# Altium PCB STB_LightBoard.PcbDoc (part 22 of 31)
Units mm, origin at the board's own origin, x right, y up, seen from the top; angles counter-clockwise.
Board outline 348 x 348 mm, 2 copper layers (Top Layer, Bottom Layer), stack 1.672 mm thick; 3807 components, 3391 nets, 11616 pads, 2553 vias.
Unrouted connection lines stored in the file: 68.
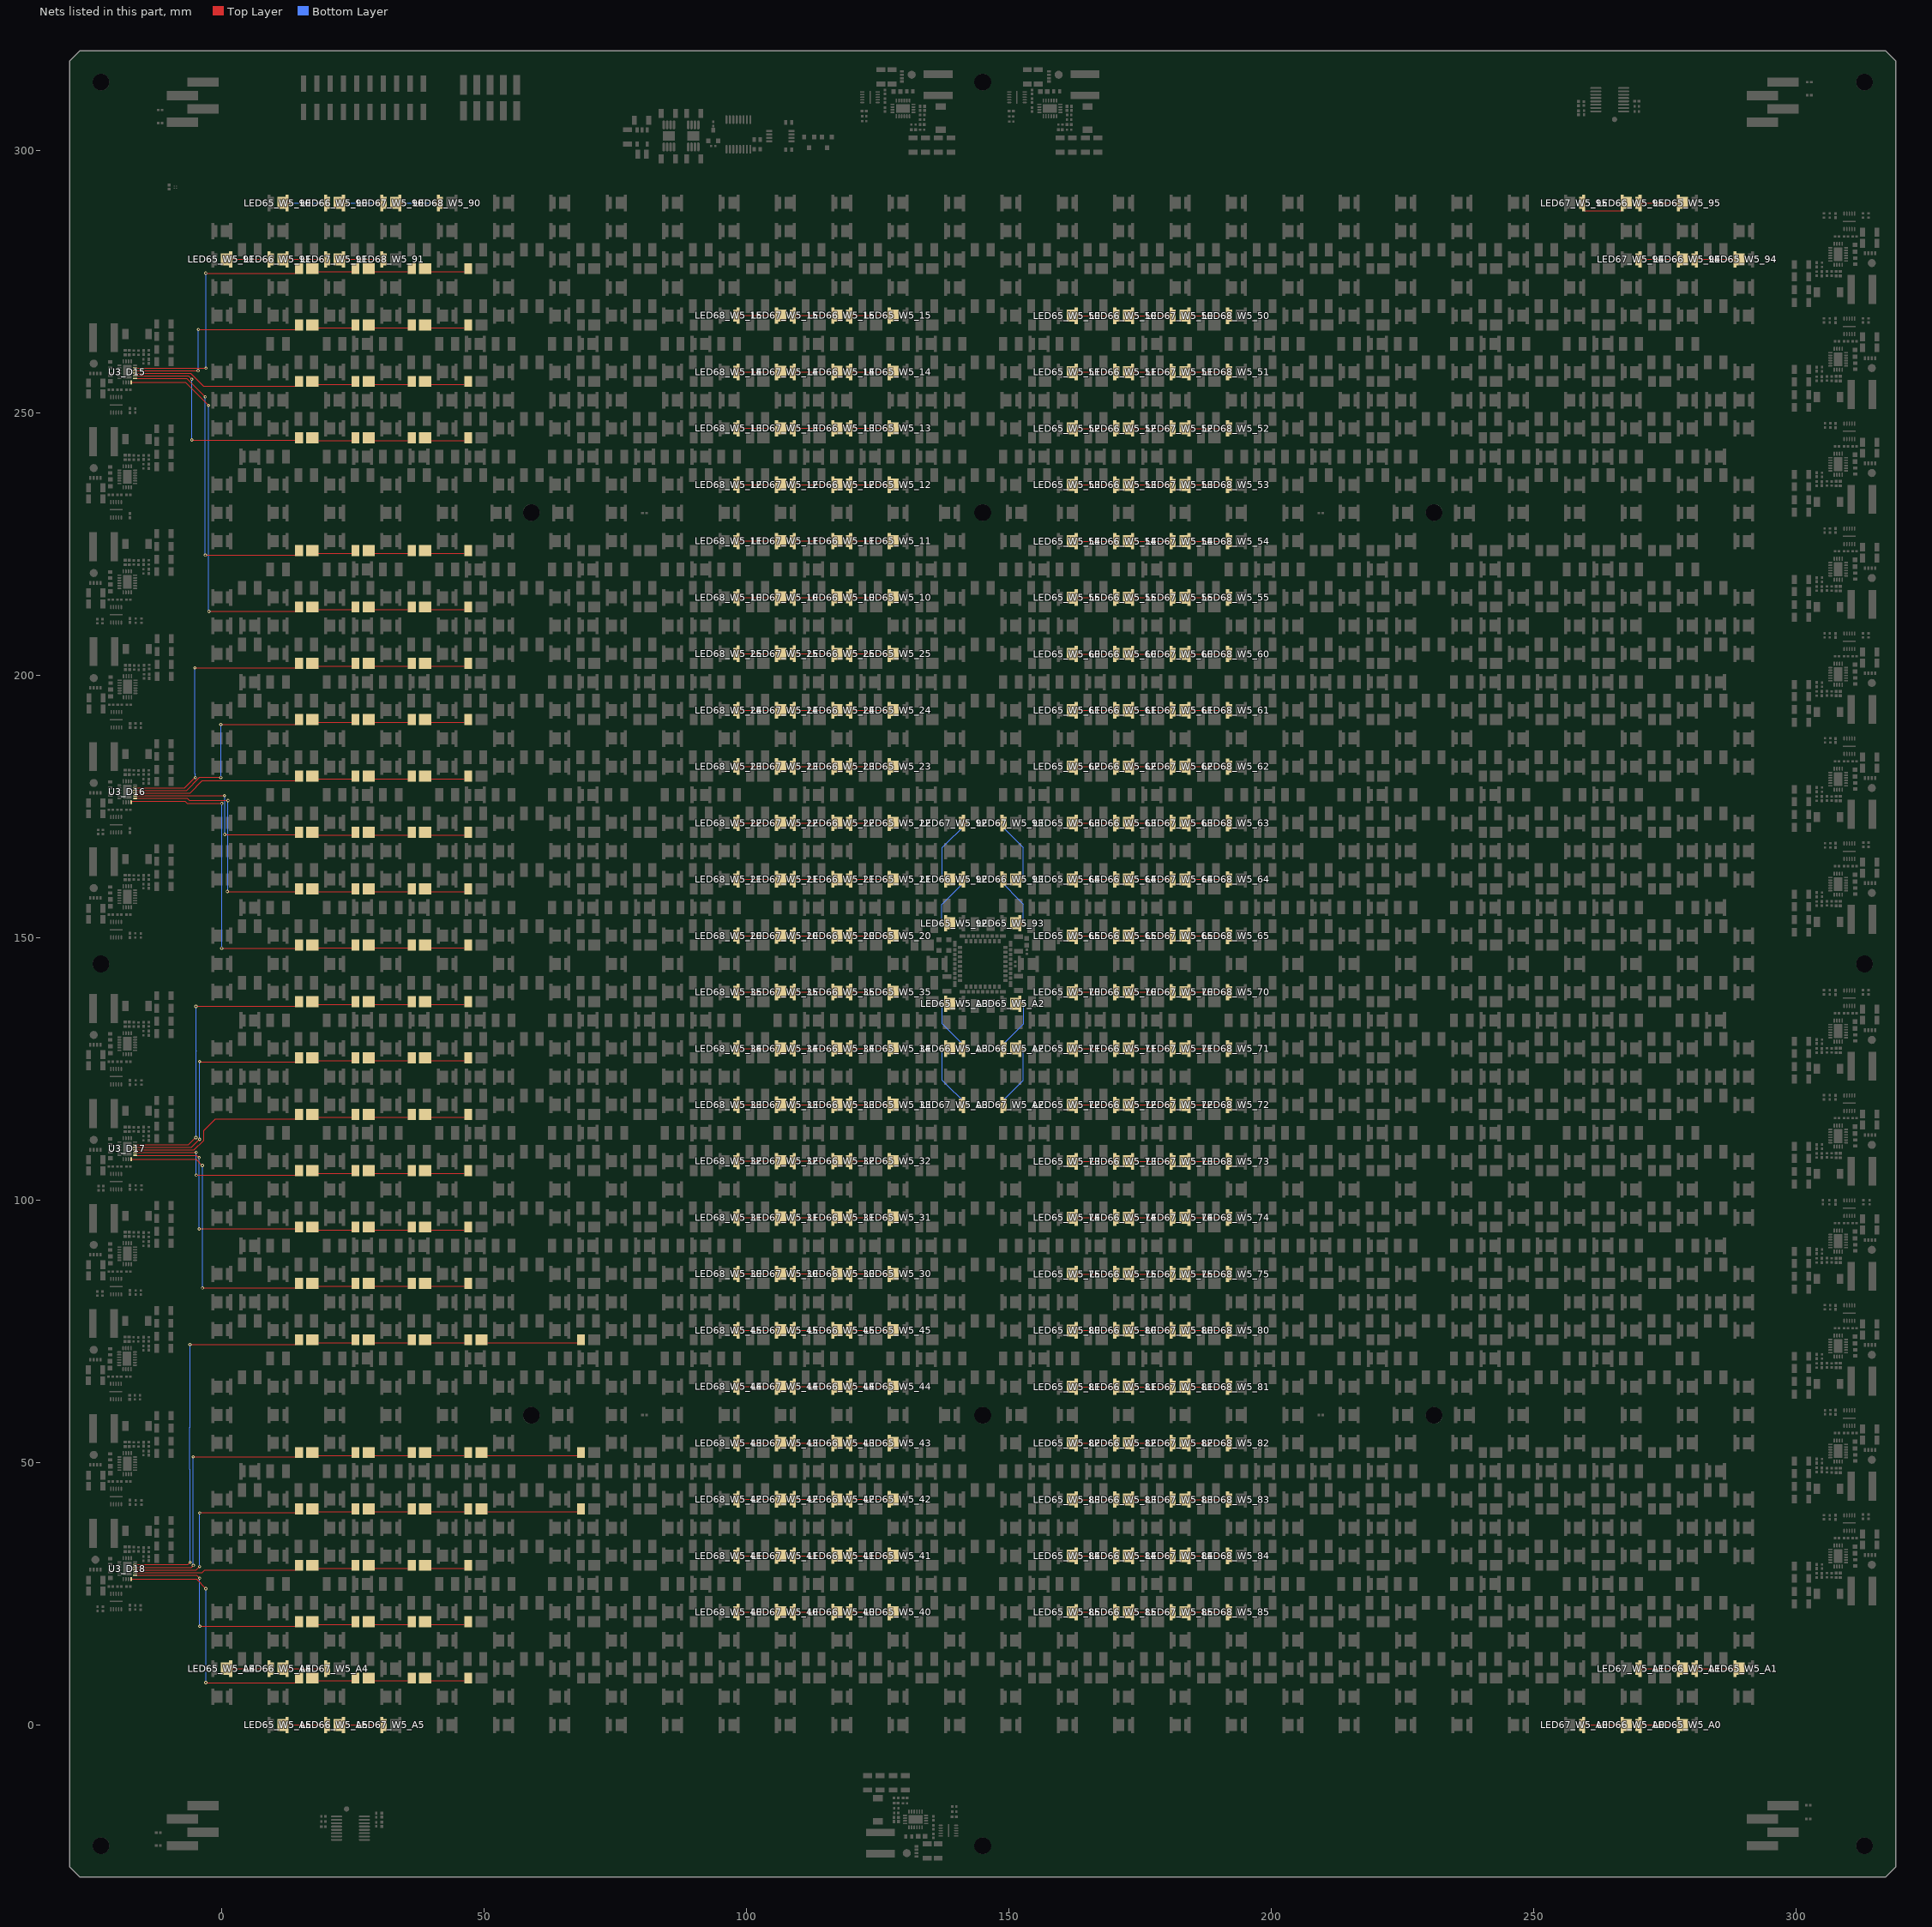
[diagram p22: the nets of this part, all layers, seen from the top]

## Via types
v1: diameter 0.604, hole 0.3, Top Layer to Bottom Layer, tented both sides, 2553 vias

## Nets (pads, with @x,y where several pads share a name; then routed paths per layer and width w, separated by ;. In a path a pad name is that pad's centre, name@x,y a point inside that pad or via, vN(x,y) a via of type N, cw(c..) or ccw(c..) an arc to the next point about the centre after c; other vN are vias at no path point) (continued)
NetLED60_IR740_43_1: LED60_IR740_43.1 LED61_IR740_43.2 | length 23.7
  Top Layer w0.2: 56.6,40.63 50.268,40.63 56.941,40.63 67.682,40.63
NetLED60_IR740_44_1: LED60_IR740_44.1 LED61_IR740_44.2 | length 23.7
  Top Layer w0.2: 56.6,51.371 50.268,51.371 56.941,51.371 67.682,51.371
NetLED60_IR740_45_1: LED60_IR740_45.1 LED61_IR740_45.2 | length 23.7
  Top Layer w0.2: 56.6,72.853 50.268,72.853 56.941,72.853 67.682,72.853
NetLED61_IR740_10_1: LED61_IR740_10.1 LED62_IR740_10.2 | length 6.7
  Top Layer w0.2: LED62_IR740_10.2@39.527,212.486 46.2,212.486
NetLED61_IR740_11_1: LED61_IR740_11.1 LED62_IR740_11.2 | length 6.7
  Top Layer w0.2: LED62_IR740_11.2@39.527,223.227 46.2,223.227
NetLED61_IR740_12_1: LED61_IR740_12.1 LED62_IR740_12.2 | length 6.7
  Top Layer w0.2: LED62_IR740_12.2@39.527,244.709 46.2,244.709
NetLED61_IR740_13_1: LED61_IR740_13.1 LED62_IR740_13.2 | length 6.7
  Top Layer w0.2: LED62_IR740_13.2@39.527,255.45 46.2,255.45
NetLED61_IR740_14_1: LED61_IR740_14.1 LED62_IR740_14.2 | length 6.7
  Top Layer w0.2: LED62_IR740_14.2@39.527,266.191 46.2,266.191
NetLED61_IR740_15_1: LED61_IR740_15.1 LED62_IR740_15.2 | length 6.7
  Top Layer w0.2: LED62_IR740_15.2@39.527,276.932 46.2,276.932
NetLED61_IR740_20_1: LED61_IR740_20.1 LED62_IR740_20.2 | length 6.7
  Top Layer w0.2: LED62_IR740_20.2@39.527,148.04 46.2,148.04
NetLED61_IR740_21_1: LED61_IR740_21.1 LED62_IR740_21.2 | length 6.7
  Top Layer w0.2: LED62_IR740_21.2@39.527,158.781 46.2,158.781
NetLED61_IR740_22_1: LED61_IR740_22.1 LED62_IR740_22.2 | length 6.7
  Top Layer w0.2: LED62_IR740_22.2@39.527,169.522 46.2,169.522
NetLED61_IR740_23_1: LED61_IR740_23.1 LED62_IR740_23.2 | length 6.7
  Top Layer w0.2: LED62_IR740_23.2@39.527,180.263 46.2,180.263
NetLED61_IR740_24_1: LED61_IR740_24.1 LED62_IR740_24.2 | length 6.7
  Top Layer w0.2: LED62_IR740_24.2@39.527,191.004 46.2,191.004
NetLED61_IR740_25_1: LED61_IR740_25.1 LED62_IR740_25.2 | length 6.7
  Top Layer w0.2: LED62_IR740_25.2@39.527,201.745 46.2,201.745
NetLED61_IR740_30_1: LED61_IR740_30.1 LED62_IR740_30.2 | length 6.7
  Top Layer w0.2: LED62_IR740_30.2@39.527,83.594 46.2,83.594
NetLED61_IR740_31_1: LED61_IR740_31.1 LED62_IR740_31.2 | length 6.7
  Top Layer w0.2: LED62_IR740_31.2@39.527,94.335 46.2,94.335
NetLED61_IR740_32_1: LED61_IR740_32.1 LED62_IR740_32.2 | length 6.7
  Top Layer w0.2: LED62_IR740_32.2@39.527,105.076 46.2,105.076
NetLED61_IR740_33_1: LED61_IR740_33.1 LED62_IR740_33.2 | length 6.7
  Top Layer w0.2: LED62_IR740_33.2@39.527,115.817 46.2,115.817
NetLED61_IR740_34_1: LED61_IR740_34.1 LED62_IR740_34.2 | length 6.7
  Top Layer w0.2: LED62_IR740_34.2@39.527,126.558 46.2,126.558
NetLED61_IR740_35_1: LED61_IR740_35.1 LED62_IR740_35.2 | length 6.7
  Top Layer w0.2: LED62_IR740_35.2@39.527,137.299 46.2,137.299
NetLED61_IR740_40_1: LED61_IR740_40.1 LED62_IR740_40.2 | length 6.7
  Top Layer w0.2: LED62_IR740_40.2@39.527,8.407 46.2,8.407
NetLED61_IR740_41_1: LED61_IR740_41.1 LED62_IR740_41.2 | length 6.7
  Top Layer w0.2: LED62_IR740_41.2@39.527,19.148 46.2,19.148
NetLED61_IR740_42_1: LED61_IR740_42.1 LED62_IR740_42.2 | length 6.7
  Top Layer w0.2: LED62_IR740_42.2@39.527,29.889 46.2,29.889
NetLED61_IR740_43_1: LED61_IR740_43.1 LED62_IR740_43.2 | length 6.7
  Top Layer w0.2: LED62_IR740_43.2@39.527,40.63 46.2,40.63
NetLED61_IR740_44_1: LED61_IR740_44.1 LED62_IR740_44.2 | length 6.7
  Top Layer w0.2: LED62_IR740_44.2@39.527,51.371 46.2,51.371
NetLED61_IR740_45_1: LED61_IR740_45.1 LED62_IR740_45.2 | length 6.7
  Top Layer w0.2: LED62_IR740_45.2@39.527,72.853 46.2,72.853
NetLED62_IR740_10_1: LED62_IR740_10.1 LED63_IR740_10.2 | length 6.7
  Top Layer w0.2: LED63_IR740_10.2@28.786,212.486 35.459,212.486
NetLED62_IR740_11_1: LED62_IR740_11.1 LED63_IR740_11.2 | length 6.7
  Top Layer w0.2: LED63_IR740_11.2@28.786,223.227 35.459,223.227
NetLED62_IR740_12_1: LED62_IR740_12.1 LED63_IR740_12.2 | length 6.7
  Top Layer w0.2: LED63_IR740_12.2@28.786,244.709 35.459,244.709
NetLED62_IR740_13_1: LED62_IR740_13.1 LED63_IR740_13.2 | length 6.7
  Top Layer w0.2: LED63_IR740_13.2@28.786,255.45 35.459,255.45
NetLED62_IR740_14_1: LED62_IR740_14.1 LED63_IR740_14.2 | length 6.7
  Top Layer w0.2: LED63_IR740_14.2@28.786,266.191 35.459,266.191
NetLED62_IR740_15_1: LED62_IR740_15.1 LED63_IR740_15.2 | length 6.7
  Top Layer w0.2: LED63_IR740_15.2@28.786,276.932 35.459,276.932
NetLED62_IR740_20_1: LED62_IR740_20.1 LED63_IR740_20.2 | length 6.7
  Top Layer w0.2: LED63_IR740_20.2@28.786,148.04 35.459,148.04
NetLED62_IR740_21_1: LED62_IR740_21.1 LED63_IR740_21.2 | length 6.7
  Top Layer w0.2: LED63_IR740_21.2@28.786,158.781 35.459,158.781
NetLED62_IR740_22_1: LED62_IR740_22.1 LED63_IR740_22.2 | length 6.7
  Top Layer w0.2: LED63_IR740_22.2@28.786,169.522 35.459,169.522
NetLED62_IR740_23_1: LED62_IR740_23.1 LED63_IR740_23.2 | length 6.7
  Top Layer w0.2: LED63_IR740_23.2@28.786,180.263 35.459,180.263
NetLED62_IR740_24_1: LED62_IR740_24.1 LED63_IR740_24.2 | length 6.7
  Top Layer w0.2: LED63_IR740_24.2@28.786,191.004 35.459,191.004
NetLED62_IR740_25_1: LED62_IR740_25.1 LED63_IR740_25.2 | length 6.7
  Top Layer w0.2: LED63_IR740_25.2@28.786,201.745 35.459,201.745
NetLED62_IR740_30_1: LED62_IR740_30.1 LED63_IR740_30.2 | length 6.7
  Top Layer w0.2: LED63_IR740_30.2@28.786,83.594 35.459,83.594
NetLED62_IR740_31_1: LED62_IR740_31.1 LED63_IR740_31.2 | length 6.7
  Top Layer w0.2: LED63_IR740_31.2@28.786,94.335 35.459,94.335
NetLED62_IR740_32_1: LED62_IR740_32.1 LED63_IR740_32.2 | length 6.7
  Top Layer w0.2: LED63_IR740_32.2@28.786,105.076 35.459,105.076
NetLED62_IR740_33_1: LED62_IR740_33.1 LED63_IR740_33.2 | length 6.7
  Top Layer w0.2: LED63_IR740_33.2@28.786,115.817 35.459,115.817
NetLED62_IR740_34_1: LED62_IR740_34.1 LED63_IR740_34.2 | length 6.7
  Top Layer w0.2: LED63_IR740_34.2@28.786,126.558 35.459,126.558
NetLED62_IR740_35_1: LED62_IR740_35.1 LED63_IR740_35.2 | length 6.7
  Top Layer w0.2: LED63_IR740_35.2@28.786,137.299 35.459,137.299
NetLED62_IR740_40_1: LED62_IR740_40.1 LED63_IR740_40.2 | length 6.7
  Top Layer w0.2: LED63_IR740_40.2@28.786,8.407 35.459,8.407
NetLED62_IR740_41_1: LED62_IR740_41.1 LED63_IR740_41.2 | length 6.7
  Top Layer w0.2: LED63_IR740_41.2@28.786,19.148 35.459,19.148
NetLED62_IR740_42_1: LED62_IR740_42.1 LED63_IR740_42.2 | length 6.7
  Top Layer w0.2: LED63_IR740_42.2@28.786,29.889 35.459,29.889
NetLED62_IR740_43_1: LED62_IR740_43.1 LED63_IR740_43.2 | length 6.7
  Top Layer w0.2: LED63_IR740_43.2@28.786,40.63 35.459,40.63
NetLED62_IR740_44_1: LED62_IR740_44.1 LED63_IR740_44.2 | length 6.7
  Top Layer w0.2: LED63_IR740_44.2@28.786,51.371 35.459,51.371
NetLED62_IR740_45_1: LED62_IR740_45.1 LED63_IR740_45.2 | length 6.7
  Top Layer w0.2: LED63_IR740_45.2@28.786,72.853 35.459,72.853
NetLED63_IR740_10_1: LED63_IR740_10.1 LED64_IR740_10.2 | length 6.7
  Top Layer w0.2: LED64_IR740_10.2@18.045,212.486 24.718,212.486
NetLED63_IR740_11_1: LED63_IR740_11.1 LED64_IR740_11.2 | length 6.7
  Top Layer w0.2: LED64_IR740_11.2@18.045,223.227 24.718,223.227
NetLED63_IR740_12_1: LED63_IR740_12.1 LED64_IR740_12.2 | length 6.7
  Top Layer w0.2: LED64_IR740_12.2@18.045,244.709 24.718,244.709
NetLED63_IR740_13_1: LED63_IR740_13.1 LED64_IR740_13.2 | length 6.7
  Top Layer w0.2: LED64_IR740_13.2@18.045,255.45 24.718,255.45
NetLED63_IR740_14_1: LED63_IR740_14.1 LED64_IR740_14.2 | length 6.7
  Top Layer w0.2: LED64_IR740_14.2@18.045,266.191 24.718,266.191
NetLED63_IR740_15_1: LED63_IR740_15.1 LED64_IR740_15.2 | length 6.7
  Top Layer w0.2: LED64_IR740_15.2@18.045,276.932 24.718,276.932
NetLED63_IR740_20_1: LED63_IR740_20.1 LED64_IR740_20.2 | length 6.7
  Top Layer w0.2: LED64_IR740_20.2@18.045,148.04 24.718,148.04
NetLED63_IR740_21_1: LED63_IR740_21.1 LED64_IR740_21.2 | length 6.7
  Top Layer w0.2: LED64_IR740_21.2@18.045,158.781 24.718,158.781
NetLED63_IR740_22_1: LED63_IR740_22.1 LED64_IR740_22.2 | length 6.7
  Top Layer w0.2: LED64_IR740_22.2@18.045,169.522 24.718,169.522
NetLED63_IR740_23_1: LED63_IR740_23.1 LED64_IR740_23.2 | length 6.7
  Top Layer w0.2: LED64_IR740_23.2@18.045,180.263 24.718,180.263
NetLED63_IR740_24_1: LED63_IR740_24.1 LED64_IR740_24.2 | length 6.7
  Top Layer w0.2: LED64_IR740_24.2@18.045,191.004 24.718,191.004
NetLED63_IR740_25_1: LED63_IR740_25.1 LED64_IR740_25.2 | length 6.7
  Top Layer w0.2: LED64_IR740_25.2@18.045,201.745 24.718,201.745
NetLED63_IR740_30_1: LED63_IR740_30.1 LED64_IR740_30.2 | length 6.7
  Top Layer w0.2: LED64_IR740_30.2@18.045,83.594 24.718,83.594
NetLED63_IR740_31_1: LED63_IR740_31.1 LED64_IR740_31.2 | length 6.7
  Top Layer w0.2: LED64_IR740_31.2@18.045,94.335 24.718,94.335
NetLED63_IR740_32_1: LED63_IR740_32.1 LED64_IR740_32.2 | length 6.7
  Top Layer w0.2: LED64_IR740_32.2@18.045,105.076 24.718,105.076
NetLED63_IR740_33_1: LED63_IR740_33.1 LED64_IR740_33.2 | length 6.7
  Top Layer w0.2: LED64_IR740_33.2@18.045,115.817 24.718,115.817
NetLED63_IR740_34_1: LED63_IR740_34.1 LED64_IR740_34.2 | length 6.7
  Top Layer w0.2: LED64_IR740_34.2@18.045,126.558 24.718,126.558
NetLED63_IR740_35_1: LED63_IR740_35.1 LED64_IR740_35.2 | length 6.7
  Top Layer w0.2: LED64_IR740_35.2@18.045,137.299 24.718,137.299
NetLED63_IR740_40_1: LED63_IR740_40.1 LED64_IR740_40.2 | length 6.7
  Top Layer w0.2: LED64_IR740_40.2@18.045,8.407 24.718,8.407
NetLED63_IR740_41_1: LED63_IR740_41.1 LED64_IR740_41.2 | length 6.7
  Top Layer w0.2: LED64_IR740_41.2@18.045,19.148 24.718,19.148
NetLED63_IR740_42_1: LED63_IR740_42.1 LED64_IR740_42.2 | length 6.7
  Top Layer w0.2: LED64_IR740_42.2@18.045,29.889 24.718,29.889
NetLED63_IR740_43_1: LED63_IR740_43.1 LED64_IR740_43.2 | length 6.7
  Top Layer w0.2: LED64_IR740_43.2@18.045,40.63 24.718,40.63
NetLED63_IR740_44_1: LED63_IR740_44.1 LED64_IR740_44.2 | length 6.7
  Top Layer w0.2: LED64_IR740_44.2@18.045,51.371 24.718,51.371
NetLED63_IR740_45_1: LED63_IR740_45.1 LED64_IR740_45.2 | length 6.7
  Top Layer w0.2: LED64_IR740_45.2@18.045,72.853 24.718,72.853
NetLED64_IR740_10_1: LED64_IR740_10.1 U3_D15.10 | length 72.4
  Top Layer w0.2: U3_D15.10@-17.25,255.8 -6.9,255.8 v1(-2.5,251.4) ; v1(-2.436,212.146) -2.428,212.154 LED64_IR740_10.1@14.099,212.154
  Bottom Layer w0.2: v1(-2.5,251.4) -2.468,251.368 -2.468,212.177 v1(-2.436,212.146)
NetLED64_IR740_11_1: LED64_IR740_11.1 U3_D15.11 | length 62.2
  Top Layer w0.2: U3_D15.11@-16.5,256.55 -6.65,256.55 -3.133,253.033 v1(-3.133,253.029) ; v1(-3.109,222.882) -3.096,222.895 LED64_IR740_11.1@14.099,222.895
  Bottom Layer w0.2: v1(-3.133,253.029) -3.121,253.017 -3.121,222.895 v1(-3.109,222.882)
NetLED64_IR740_12_1: LED64_IR740_12.1 U3_D15.12 | length 43.3
  Top Layer w0.2: U3_D15.12@-16.5,257.05 -6.35,257.05 v1(-5.7,256.4) ; v1(-5.684,244.82) 14.326,244.82 LED64_IR740_12.1@14.749,245.243
  Bottom Layer w0.2: v1(-5.7,256.4) -5.692,256.392 -5.692,244.828 v1(-5.684,244.82)
NetLED64_IR740_13_1: LED64_IR740_13.1 U3_D15.13 | length 31.6
  Top Layer w0.2: U3_D15.13@-16.5,257.55 -5.95,257.55 -3.518,255.118 LED64_IR740_13.1@14.099,255.118
NetLED64_IR740_14_1: LED64_IR740_14.1 U3_D15.14 | length 38.5
  Top Layer w0.2: U3_D15.14@-16.5,258.05 -16.481,258.031 -4.531,258.031 v1(-4.5,258) ; v1(-4.446,265.862) 14.099,265.862 LED64_IR740_14.1@14.099,265.859
  Bottom Layer w0.2: v1(-4.5,258) -4.473,258.027 -4.473,265.835 v1(-4.446,265.862)
NetLED64_IR740_15_1: LED64_IR740_15.1 U3_D15.15 | length 50
  Top Layer w0.2: U3_D15.15@-16.5,258.55 -16.496,258.554 -3.054,258.554 v1(-3,258.5) ; v1(-3.047,276.624) -3.022,276.6 14.099,276.6 14.749,277.25 LED64_IR740_15.1@14.749,277.466
  Bottom Layer w0.2: v1(-3.047,276.624) -3.023,276.601 -3.023,258.523 v1(-3,258.5)
NetLED64_IR740_20_1: LED64_IR740_20.1 U3_D16.10 | length 59.6
  Top Layer w0.2: U3_D16.10@-17.25,175.8 -17.25,175.954 -17.204,176 -7,176 -6.578,175.578 v1(0.009,175.578) ; v1(0,148) 14.099,148 LED64_IR740_20.1@14.099,147.708
  Bottom Layer w0.2: v1(0.009,175.578) 0.005,175.574 v1@0.005,148.014 ; v1@0.005,148.014 0.009,148.009 v1@0.005,148.014
NetLED64_IR740_21_1: LED64_IR740_21.1 U3_D16.11 | length 48.6
  Top Layer w0.2: U3_D16.11@-16.5,176.55 -6.573,176.55 -6.156,176.132 v1(1.194,176.132) ; v1(1.076,158.794) 14.099,158.794 LED64_IR740_21.1@14.099,158.449
  Bottom Layer w0.2: v1(1.076,158.794) 1.144,158.862 1.144,176.083 v1(1.194,176.132)
NetLED64_IR740_22_1: LED64_IR740_22.1 U3_D16.12 | length 37.7
  Top Layer w0.2: U3_D16.12@-16.5,177.05 v1@0.29,177.05 ; v1(0.59,169.662) LED64_IR740_22.1@14.099,169.662
  Bottom Layer w0.2: v1(0.525,177.061) 0.591,176.996 0.591,171.492 v1(0.59,169.662)
NetLED64_IR740_23_1: LED64_IR740_23.1 U3_D16.13 | length 32.7
  Top Layer w0.2: U3_D16.13@-16.5,177.55 -6.05,177.55 -3.687,179.913 14.099,179.913 14.749,180.563 LED64_IR740_23.1@14.749,180.797
NetLED64_IR740_24_1: LED64_IR740_24.1 U3_D16.14 | length 41.8
  Top Layer w0.2: U3_D16.14@-16.5,178.05 -6.679,178.05 -4.182,180.548 -0.199,180.548 v1(-0.167,180.516) ; v1(-0.167,190.634) 14.099,190.634 LED64_IR740_24.1@14.099,190.672
  Bottom Layer w0.2: v1(-0.167,180.516) v1(-0.167,190.634)
NetLED64_IR740_25_1: LED64_IR740_25.1 U3_D16.15 | length 52.5
  Top Layer w0.2: U3_D16.15@-16.5,178.55 -16.481,178.531 -16.16,178.531 -16.149,178.52 -7.08,178.52 -5.1,180.5 v1(-5.013,180.5) ; v1(-5.112,201.413) LED64_IR740_25.1@14.099,201.413
  Bottom Layer w0.2: v1(-5.112,201.413) -5.101,201.402 -5.101,181.202 -5.013,181.114 v1(-5.013,180.5)
NetLED64_IR740_30_1: LED64_IR740_30.1 U3_D17.10 | length 55.1
  Top Layer w0.2: U3_D17.10@-17.25,107.8 -4.9,107.8 v1(-3.7,106.6) ; v1(-3.662,83.262) LED64_IR740_30.1@14.099,83.262
  Bottom Layer w0.2: v1(-3.662,83.262) -3.678,83.278 v1@-3.678,106.584 ; v1@-3.678,106.584 -3.681,106.581 v1@-3.678,106.584
NetLED64_IR740_31_1: LED64_IR740_31.1 U3_D17.11 | length 44.9
  Top Layer w0.2: U3_D17.11@-16.5,108.55 -4.75,108.55 -4.3,108.1 v1(-4.296,108.1) ; v1(-4.3,94.526) 14.099,94.526 LED64_IR740_31.1@14.099,94.003
  Bottom Layer w0.2: v1(-4.3,94.526) -4.297,94.529 v1(-4.296,108.1) v1(-4.296,108.1)
NetLED64_IR740_32_1: LED64_IR740_32.1 U3_D17.12 | length 35.1
  Top Layer w0.2: U3_D17.12@-16.5,109.05 -16.481,109.069 -4.885,109.069 v1(-4.85,109.104) ; v1@-4.9,104.793 v1(-4.851,104.744) LED64_IR740_32.1@14.099,104.744
  Bottom Layer w0.2: v1@-4.85,104.745 v1(-4.85,109.104)
NetLED64_IR740_33_1: LED64_IR740_33.1 U3_D17.13 | length 34.2
  Top Layer w0.2: U3_D17.13@-16.5,109.55 -5.25,109.55 -3.4,111.4 -3.4,113.285 -1.2,115.485 LED64_IR740_33.1@14.099,115.485
NetLED64_IR740_34_1: LED64_IR740_34.1 U3_D17.14 | length 47.1
  Top Layer w0.2: U3_D17.14@-16.5,110.05 -5.75,110.05 -4.208,111.592 v1(-4.208,111.6) ; v1(-4.208,126.403) -4.151,126.346 14.099,126.346 14.749,126.996 LED64_IR740_34.1@14.749,127.092
  Bottom Layer w0.2: v1(-4.208,111.6) v1(-4.208,126.403)
NetLED64_IR740_35_1: LED64_IR740_35.1 U3_D17.15 | length 56.2
  Top Layer w0.2: U3_D17.15@-16.5,110.55 -6.35,110.55 -4.996,111.904 v1(-4.9,111.904) ; v1(-4.9,136.9) -4.834,136.967 LED64_IR740_35.1@14.099,136.967
  Bottom Layer w0.2: v1(-4.9,111.904) -4.9,120.073 -4.873,120.1 -4.873,128.393 -4.9,128.421 v1(-4.9,136.9)
NetLED64_IR740_40_1: LED64_IR740_40.1 U3_D18.10 | length 50.1
  Top Layer w0.2: U3_D18.10@-17.25,27.8 -4.816,27.8 -3.033,26.017 v1(-3.033,25.978) ; v1(-3.033,8.075) LED64_IR740_40.1@14.099,8.075
  Bottom Layer w0.2: v1(-3.033,8.075) -3,8.108 -3,25.945 v1(-3.033,25.978)
NetLED64_IR740_41_1: LED64_IR740_41.1 U3_D18.11 | length 40
  Top Layer w0.2: U3_D18.11@-16.5,28.55 -4.766,28.55 v1(-4.193,27.977) ; v1(-4.184,18.816) LED64_IR740_41.1@14.099,18.816
  Bottom Layer w0.2: v1(-4.184,18.816) -4.188,18.82 -4.188,27.973 v1(-4.193,27.977) v1@-4.184,27.986 ; v1@-4.184,27.986 -4.184,27.973 v1@-4.184,27.986
NetLED64_IR740_42_1: LED64_IR740_42.1 U3_D18.12 | length 30.8
  Top Layer w0.2: U3_D18.12@-16.5,29.05 -3.737,29.05 -3.23,29.557 LED64_IR740_42.1@14.099,29.557
NetLED64_IR740_43_1: LED64_IR740_43.1 U3_D18.13 | length 42.1
  Top Layer w0.2: U3_D18.13@-16.491,29.541 -4.883,29.541 v1(-4.224,30.201) ; v1(-4.2,40.4) -4.168,40.432 14.099,40.432 14.749,41.082 LED64_IR740_43.1@14.749,41.164
  Bottom Layer w0.2: v1(-4.224,30.201) -4.212,30.212 -4.212,40.388 v1(-4.2,40.4)
NetLED64_IR740_44_1: LED64_IR740_44.1 U3_D18.14 | length 51.5
  Top Layer w0.2: U3_D18.14@-16.5,30.05 -5.75,30.05 v1(-5.4,30.4) ; v1(-5.442,51.097) -5.399,51.054 14.099,51.054 LED64_IR740_44.1@14.099,51.039
  Bottom Layer w0.2: v1(-5.442,51.097) -5.421,51.076 -5.421,30.421 v1(-5.4,30.4)
NetLED64_IR740_45_1: LED64_IR740_45.1 U3_D18.15 | length 72.4
  Top Layer w0.2: U3_D18.15@-16.5,30.55 -6.45,30.55 v1(-6.017,30.983) ; v1(-6.063,72.509) -6.051,72.521 LED64_IR740_45.1@14.099,72.521
  Bottom Layer w0.2: v1(-6.063,72.509) -6.02,72.466 -6.02,56.768 -6.054,56.734 -6.054,48.749 -6.017,48.712 v1(-6.017,30.983)
NetLED65_W5_10_1: LED65_W5_10.1 LED66_W5_10.2 | length 8.4
  Top Layer w0.2: LED66_W5_10.2@119.851,214.825 LED65_W5_10.1@127.192,214.825 LED65_W5_10.1@128.257,214.825
NetLED65_W5_11_1: LED65_W5_11.1 LED66_W5_11.2 | length 8.4
  Top Layer w0.2: LED66_W5_11.2@119.851,225.565 LED65_W5_11.1@127.192,225.565 LED65_W5_11.1@128.257,225.565
NetLED65_W5_12_1: LED65_W5_12.1 LED66_W5_12.2 | length 8.4
  Top Layer w0.2: LED66_W5_12.2@119.851,236.305 LED65_W5_12.1@127.192,236.305 LED65_W5_12.1@128.257,236.305
NetLED65_W5_13_1: LED65_W5_13.1 LED66_W5_13.2 | length 8.4
  Top Layer w0.2: LED66_W5_13.2@119.851,247.045 LED65_W5_13.1@127.192,247.045 LED65_W5_13.1@128.257,247.045
NetLED65_W5_14_1: LED65_W5_14.1 LED66_W5_14.2 | length 8.4
  Top Layer w0.2: LED66_W5_14.2@119.851,257.785 LED65_W5_14.1@127.192,257.785 LED65_W5_14.1@128.257,257.785
NetLED65_W5_15_1: LED65_W5_15.1 LED66_W5_15.2 | length 8.4
  Top Layer w0.2: LED66_W5_15.2@119.851,268.525 LED65_W5_15.1@127.192,268.525 LED65_W5_15.1@128.257,268.525
NetLED65_W5_20_1: LED65_W5_20.1 LED66_W5_20.2 | length 8.4
  Top Layer w0.2: LED66_W5_20.2@119.851,150.385 LED65_W5_20.1@127.192,150.385 LED65_W5_20.1@128.257,150.385
NetLED65_W5_21_1: LED65_W5_21.1 LED66_W5_21.2 | length 8.4
  Top Layer w0.2: LED66_W5_21.2@119.851,161.125 LED65_W5_21.1@127.192,161.125 LED65_W5_21.1@128.257,161.125
NetLED65_W5_22_1: LED65_W5_22.1 LED66_W5_22.2 | length 8.4
  Top Layer w0.2: LED66_W5_22.2@119.851,171.865 LED65_W5_22.1@127.192,171.865 LED65_W5_22.1@128.257,171.865
NetLED65_W5_23_1: LED65_W5_23.1 LED66_W5_23.2 | length 8.4
  Top Layer w0.2: LED66_W5_23.2@119.851,182.605 LED65_W5_23.1@127.192,182.605 LED65_W5_23.1@128.257,182.605
NetLED65_W5_24_1: LED65_W5_24.1 LED66_W5_24.2 | length 8.4
  Top Layer w0.2: LED66_W5_24.2@119.851,193.345 LED65_W5_24.1@127.192,193.345 LED65_W5_24.1@128.257,193.345
NetLED65_W5_25_1: LED65_W5_25.1 LED66_W5_25.2 | length 8.4
  Top Layer w0.2: LED66_W5_25.2@119.851,204.085 LED65_W5_25.1@127.192,204.085 LED65_W5_25.1@128.257,204.085
NetLED65_W5_30_1: LED65_W5_30.1 LED66_W5_30.2 | length 8.4
  Top Layer w0.2: LED66_W5_30.2@119.851,85.945 LED65_W5_30.1@127.192,85.945 LED65_W5_30.1@128.257,85.945
NetLED65_W5_31_1: LED65_W5_31.1 LED66_W5_31.2 | length 8.4
  Top Layer w0.2: LED66_W5_31.2@119.851,96.685 LED65_W5_31.1@127.192,96.685 LED65_W5_31.1@128.257,96.685
NetLED65_W5_32_1: LED65_W5_32.1 LED66_W5_32.2 | length 8.4
  Top Layer w0.2: LED66_W5_32.2@119.851,107.425 LED65_W5_32.1@127.192,107.425 LED65_W5_32.1@128.257,107.425
NetLED65_W5_33_1: LED65_W5_33.1 LED66_W5_33.2 | length 8.4
  Top Layer w0.2: LED66_W5_33.2@119.851,118.165 LED65_W5_33.1@127.192,118.165 LED65_W5_33.1@128.257,118.165
NetLED65_W5_34_1: LED65_W5_34.1 LED66_W5_34.2 | length 8.4
  Top Layer w0.2: LED66_W5_34.2@119.851,128.905 LED65_W5_34.1@127.192,128.905 LED65_W5_34.1@128.257,128.905
NetLED65_W5_35_1: LED65_W5_35.1 LED66_W5_35.2 | length 8.4
  Top Layer w0.2: LED66_W5_35.2@119.851,139.645 LED65_W5_35.1@127.192,139.645 LED65_W5_35.1@128.257,139.645
NetLED65_W5_40_1: LED65_W5_40.1 LED66_W5_40.2 | length 8.4
  Top Layer w0.2: LED66_W5_40.2@119.851,21.505 LED65_W5_40.1@127.192,21.505 LED65_W5_40.1@128.257,21.505
NetLED65_W5_41_1: LED65_W5_41.1 LED66_W5_41.2 | length 8.4
  Top Layer w0.2: LED66_W5_41.2@119.851,32.245 LED65_W5_41.1@127.192,32.245 LED65_W5_41.1@128.257,32.245
NetLED65_W5_42_1: LED65_W5_42.1 LED66_W5_42.2 | length 8.4
  Top Layer w0.2: LED66_W5_42.2@119.851,42.985 LED65_W5_42.1@127.192,42.985 LED65_W5_42.1@128.257,42.985
NetLED65_W5_43_1: LED65_W5_43.1 LED66_W5_43.2 | length 8.4
  Top Layer w0.2: LED66_W5_43.2@119.851,53.725 LED65_W5_43.1@127.192,53.725 LED65_W5_43.1@128.257,53.725
NetLED65_W5_44_1: LED65_W5_44.1 LED66_W5_44.2 | length 8.4